# Altium PCB mb1260.PcbDoc (part 7 of 7)
Units mil, origin at the board's own origin, x right, y up, seen from the top; angles counter-clockwise.
Board outline 3189.01 x 3818.89 mil, 6 copper layers (TOP, L2_GND, L3_VCC, L4_SIG, L5_GND, BOTTOM), stack 62.2 mil thick; 308 components, 287 nets, 1220 pads, 851 vias.
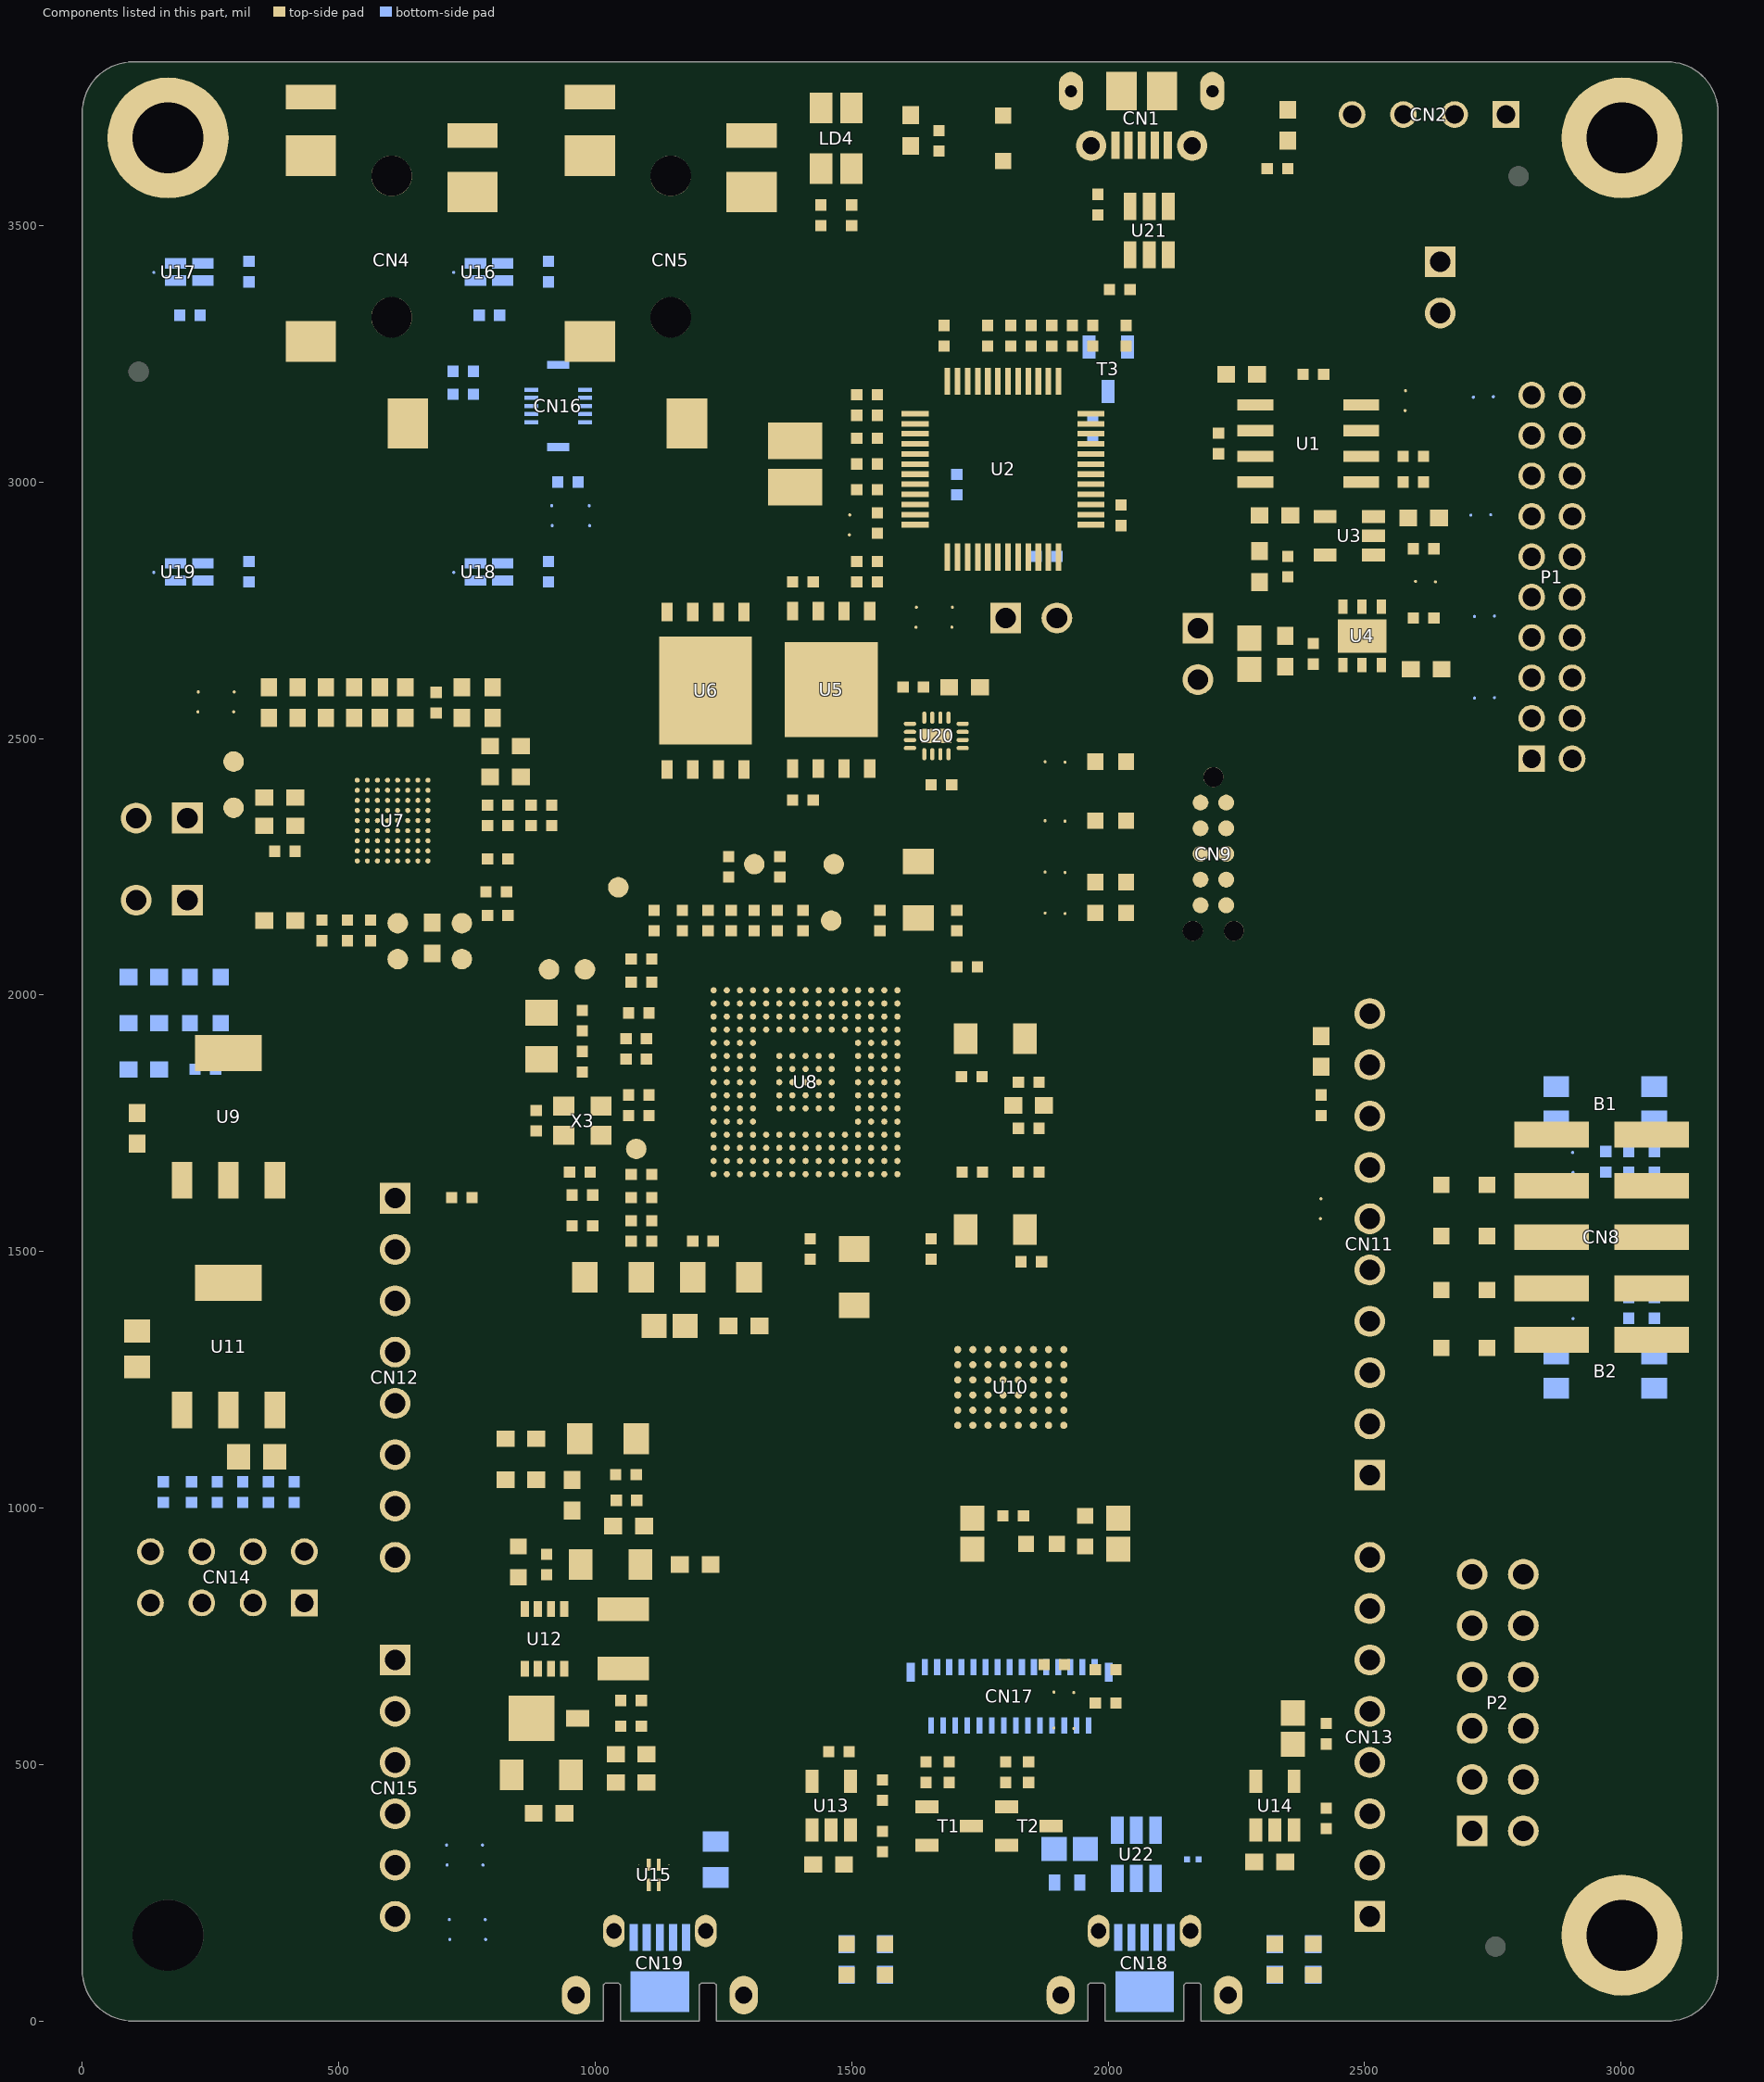
[diagram p11: the components of this part, seen from the top]

## Silkscreen, mask and mechanical layers (free items; w line width, h text height) (continued)
LAY13:
  text "13" at 2393.2,-1906.3 h75
  text "13" at 2393.2,-1906.3 h75
  text "LAYER 13(GND PLANE)" at 1943.2,-2056.3 h60
  text "LAYER 13(GND PLANE)" at 1943.2,-2056.3 h60
LAY11:
  text "11" at 2393.2,-1906.3 h75
  text "11" at 2393.2,-1906.3 h75
  text "LAYER 11(GND PLANE)" at 1943.2,-2056.3 h60
  text "LAYER 11(GND PLANE)" at 1943.2,-2056.3 h60
LAY6:
  text "6" at 2443.2,-1906.3 h75
  text "6" at 2443.2,-1906.3 h75
  text "LAYER 6 (GND PLANE)" at 1943.2,-2056.3 h60
  text "LAYER 6 (GND PLANE)" at 1943.2,-2056.3 h60
LAY12:
  text "12" at 2393.2,-1906.3 h75
  text "12" at 2393.2,-1906.3 h75
  text "LAYER 12(INTERNAL SIGNAL)" at 1943.2,-2056.3 h60
  text "LAYER 12(INTERNAL SIGNAL)" at 1943.2,-2056.3 h60
LAY8:
  text "8" at 2443.2,-1906.3 h75
  text "8" at 2443.2,-1906.3 h75
  text "LAYER 8 (GND PLANE)" at 1943.2,-2056.3 h60
  text "LAYER 8 (GND PLANE)" at 1943.2,-2056.3 h60
LAY17:
  text "17" at 2393.2,-1906.3 h75
  text "17" at 2393.2,-1906.3 h75
  text "LAYER 17(GND PLANE)" at 1943.2,-2056.3 h60
  text "LAYER 17(GND PLANE)" at 1943.2,-2056.3 h60
LAY15:
  text "15" at 2393.2,-1906.3 h75
  text "15" at 2393.2,-1906.3 h75
  text "LAYER 15(GND PLANE)" at 1943.2,-2056.3 h60
  text "LAYER 15(GND PLANE)" at 1943.2,-2056.3 h60
LAY9:
  text "9" at 2443.2,-1906.3 h75
  text "9" at 2443.2,-1906.3 h75
  text "LAYER 9 (INTERNAL SIGNAL)" at 1943.2,-2056.3 h60
  text "LAYER 9 (INTERNAL SIGNAL)" at 1943.2,-2056.3 h60
LAY14:
  text "14" at 2393.2,-1906.3 h75
  text "14" at 2393.2,-1906.3 h75
  text "LAYER 14(INTERNAL SIGNAL)" at 1943.2,-2056.3 h60
  text "LAYER 14(INTERNAL SIGNAL)" at 1943.2,-2056.3 h60
LAY16:
  text "16" at 2393.2,-1906.3 h75
  text "16" at 2393.2,-1906.3 h75
  text "LAYER 16(INTERNAL SIGNAL)" at 1943.2,-2056.3 h60
  text "LAYER 16(INTERNAL SIGNAL)" at 1943.2,-2056.3 h60
LAYER_COUNT:
  text "/XX" at 2393.2,-1906.3 h75
  text "/XX" at 2393.2,-1906.3 h75
ASSEMBLY_BOTTOM:
  lines w1: 896.6,3039.98 964.04,3039.98
  lines w5: -2316.97,2883.59 cw(c-2238.24,2883.59) -2238.23,2962.33 -1800.84,2962.33 ; -2316.97,2892.57 -2316.97,1361.55 ccw(c-2238.24,1361.55) -2238.23,1282.81 -1023.28,1282.81 ccw(c-1023.27,1361.55) -944.54,1361.55 -944.54,2883.59 ccw(c-1023.27,2883.59) -1023.28,2962.33 -1564.62,2962.33 ; 667.07,2539.58 cw(c745.81,2539.58) 745.81,2618.32 1960.77,2618.32 cw(c1960.77,2539.58) 2039.51,2539.58 2039.51,1017.54 cw(c1960.77,1017.54) 1960.77,938.8 745.81,938.8 cw(c745.81,1017.54) 667.07,1017.54 667.07,2548.56 ; 1183.21,2618.32 1183.21,2833.28 ; 1419.43,2618.32 1419.43,2833.28 ; 1628.72,938.56 1628.72,587.22 1983.05,587.22 1983.05,938.56 ; -1800.84,2962.33 -1564.62,2962.33 ; -1800.84,2962.33 -1800.84,3177.29 ; -1800.84,3177.29 -1564.62,3177.29 ; -1800.84,3177.29 -1899.26,3177.29 cw(c-1899.26,3196.98) -1918.95,3196.98 -1918.95,3364.3 ccw(c-1938.63,3364.31) -1938.63,3383.99 -2095.32,3383.99 cw(c-2095.32,3403.67) -2115.01,3403.67 -2115.01,3580.84 cw(c-2095.32,3580.84) -2095.32,3600.52 -1957.52,3600.52 cw(c-1957.53,3580.84) -1937.84,3580.84 -1937.84,3531.63 ccw(c-1918.16,3531.63) -1918.15,3511.94 -1466.19,3511.94 cw(c-1466.19,3492.26) -1446.51,3492.26 -1446.51,3196.98 cw(c-1466.19,3196.98) -1466.19,3177.29 -1564.62,3177.29 ; -1564.62,2962.33 -1564.62,3177.29 ; 1183.21,2833.28 1419.43,2833.28 ; 1183.21,2833.28 1084.79,2833.28 cw(c1084.79,2852.97) 1065.1,2852.97 1065.1,3020.29 ccw(c1045.41,3020.3) 1045.42,3039.98 888.72,3039.98 cw(c888.72,3059.66) 869.04,3059.66 869.04,3236.83 cw(c888.72,3236.83) 888.72,3256.51 1026.52,3256.51 cw(c1026.52,3236.83) 1046.2,3236.83 1046.2,3187.62 ccw(c1065.89,3187.61) 1065.89,3167.93 1517.86,3167.93 cw(c1517.85,3148.25) 1537.54,3148.25 1537.54,2852.97 cw(c1517.85,2852.97) 1517.86,2833.28 1419.43,2833.28 ; -2188.23,1584.77 -1073.28,1584.77 -1073.28,2699.74 -2188.23,2699.74 -2188.23,1584.77 ; -2173.99,3456.82 -2161,3456.82 -2161,3409.18 -2069.65,3409.18 -2069.65,3456.82 -2056.67,3456.82 -2056.67,3527.69 -2069.65,3527.69 -2069.65,3575.33 -2161,3575.33 -2161,3527.69 -2173.99,3527.69 -2173.99,3456.82 ; 751.32,1177.77 751.32,2418.72 2078.88,2418.72 2078.88,1177.77 751.32,1177.77 ; 795.81,1240.76 1910.77,1240.76 1910.77,2355.73 795.81,2355.73 795.81,1240.76 ; 810.06,3112.81 823.05,3112.81 823.05,3065.17 914.39,3065.17 914.39,3112.81 927.38,3112.81 927.38,3183.68 914.39,3183.68 914.39,3231.32 823.05,3231.32 823.05,3183.68 810.06,3183.68 810.06,3112.81
  text "Value" at -805.76,2172.57 h30 r90
  text "U888" at -1662.41,2122.57 h25 r90
  text "Value" at 2133.29,1773.56 h30 r90
  text "U*" at 1361.29,1768.56 h40 r90
  text "ASSEMBLY (SECONDARY)" at 3172.8,-2048.37 h60
  text "ASSEMBLY (SECONDARY)" at 3172.8,-2048.37 h60
ASSEMBLY_TOP:
  lines w5: 1236.36,2558.56 1236.36,2379.74 ; 1472.58,2558.56 1472.58,2379.74 ; 1236.36,2379.74 1472.58,2379.74 ; 1236.36,2379.74 1137.94,2379.74 ccw(c1137.94,2360.06) 1118.25,2360.06 1118.25,2192.73 cw(c1098.57,2192.74) 1098.57,2173.05 960.77,2173.05 ccw(c960.77,2153.37) 941.09,2153.36 941.09,1976.2 ccw(c960.77,1976.19) 960.77,1956.51 1098.57,1956.51 ccw(c1098.57,1976.2) 1118.25,1976.2 1118.25,2025.41 cw(c1137.94,2025.41) 1137.94,2045.1 1571.01,2045.1 ccw(c1571.01,2064.78) 1590.69,2064.78 1590.69,2360.06 ccw(c1571.01,2360.06) 1571.01,2379.74 1472.58,2379.74 ; -2119.74,2592.26 -2106.74,2592.26 -2106.74,2544.62 -2015.41,2544.62 -2015.41,2592.26 -2002.41,2592.26 -2002.41,2663.12 -2015.41,2663.12 -2015.41,2710.76 -2106.74,2710.76 -2106.74,2663.12 -2119.74,2663.12 -2119.74,2592.26 ; -2063.04,2539.11 ccw(c-2043.35,2539.1) -2043.36,2519.42 -1905.56,2519.42 ccw(c-1905.56,2539.11) -1885.88,2539.11 -1885.88,2588.32 cw(c-1866.19,2588.32) -1866.19,2608 -1414.21,2608 ccw(c-1414.22,2627.69) -1394.54,2627.69 -1394.54,2922.96 ccw(c-1414.22,2922.96) -1414.21,2942.65 -1847.3,2942.65 ccw(c-1847.29,2922.97) -1866.97,2922.96 -1866.97,2755.64 cw(c-1886.66,2755.64) -1886.67,2735.96 -2043.36,2735.96 ccw(c-2043.35,2716.27) -2063.04,2716.27 -2063.04,2539.11 ; 863.21,2029.35 876.2,2029.35 876.2,1981.71 967.54,1981.71 967.54,2029.35 980.53,2029.35 980.53,2100.21 967.54,2100.21 967.54,2147.85 876.2,2147.85 876.2,2100.21 863.21,2100.21 863.21,2029.35
  text "ASSEMBLY (PRIMARY)" at 1943.2,-2056.3 h60
  text "ASSEMBLY (PRIMARY)" at 1943.2,-2056.3 h60
LIB_UNEVALUATED:
  drawing of 273 lines, arcs and shapes, not listed
  text "4.5" at -2027.76,3675.57 h16 r90
  text "5.5" at -2147.76,3505.57 h16 r90
  text "16.21" at -2367.76,3282.57 h16 r90
  text "10.71" at -2147.76,3247.57 h16 r90
  text "16" at -1672.76,3199.57 h16 r90
  text "2" at -1277.76,3028.57 h16 r90
  text "12" at -1597.76,3024.57 h16 r90
  text "6" at -1232.76,3003.57 h16 r90
  text "10.71" at 916.29,2873.56 h16 r90
  text "8.5" at -1347.76,2785.57 h16 r90
  text "5.5" at -2352.76,2625.57 h16 r90
  text "1" at 2146.29,2544.56 h16 r90
  text "11.31" at 1011.29,2533.56 h16 r90
  text "33.72" at 1276.29,2498.56 h16 r90
  text "4.5" at -1972.76,2470.57 h16 r90
  text "28.32" at 1286.29,2308.56 h16 r90
  text "28.32" at -2397.76,2202.57 h16 r90
  text "LCD_CTP-LS015GF614A" at -973.76,2157.57 h30 r90
  text "42.66" at -2612.76,2097.57 h16 r90
  text "Sofer Lib Information" at 254.2,1980.35 h25 r90
  text "Sofer Lib Information" at 3583.16,1974.36 h25 r90
  text "Ref PN: FRD154BP2902-CTP" at 304.2,1950.35 h25 r90
  text "Creat : Ziv" at 344.2,1950.35 h25 r90
  text "Date  : 2016-05-28" at 384.2,1950.35 h25 r90
  text "Rev   : A1" at 424.2,1950.35 h25 r90
  text "Remark: D031-023A1" at 464.2,1950.35 h25 r90
  text "Ref PN: CTP LS015GF614A" at 3633.16,1944.36 h25 r90
  text "Creat : Yuki" at 3673.16,1944.36 h25 r90
  text "Date  : 2015-11-06" at 3713.16,1944.36 h25 r90
  text "Rev   : A1" at 3753.16,1944.36 h25 r90
  text "Remark: D031-015A2" at 3793.16,1944.36 h25 r90
  text "42.66" at 576.29,1783.56 h16 r90
  text "31.52" at 606.29,1783.56 h16 r90
  text "28.32" at 641.29,1783.56 h16 r90
  text "NO" at 1325.29,1778.56 h35 r90
  text "LCD_FRD154BP2902-CTP" at 1953.29,1758.56 h30 r90
  text "7.67" at -2397.76,1431.57 h16 r90
  text "28.32" at -1677.76,1237.57 h16 r90
  text "34.86" at -1677.76,1167.57 h16 r90
  text "15" at 1577.31,875.56 h16 r90
  text "9" at 1812.31,569.56 h16 r90
  text "MUTI-PACK DRAWING" at 1943.2,-2056.3 h60
  text "MUTI-PACK DRAWING" at 1943.2,-2056.3 h60

## Text inside footprints (layer, text, board x,y; h text height)
B1: LIB_UNEVALUATED "5.5" at 2961,1910 h16 r270; LIB_UNEVALUATED "4.7" at 2961,1870 h16 r270; LIB_UNEVALUATED "3.5" at 2766,1770 h16 r270; LIB_UNEVALUATED "1.7" at 2791,1770 h16 r270; LIB_UNEVALUATED "OK" at 2941,1788 h35 r270; LIB_UNEVALUATED "TACT_4SM_3R5X5R5" at 2507,1798 h30 r270; LIB_UNEVALUATED "Remark: D051-019A1" at 3135.77,1638.71 h25 r270; LIB_UNEVALUATED "Rev   : A1" at 3179.08,1638.71 h25 r270; LIB_UNEVALUATED "Date  : 2015-01-12" at 3218.45,1638.71 h25 r270; LIB_UNEVALUATED "Creat : Yuki" at 3257.82,1638.71 h25 r270; LIB_UNEVALUATED "Ref PN: STS-155" at 3297.19,1638.71 h25 r270; LIB_UNEVALUATED "Sofer Lib Information" at 3348.37,1611.15 h25 r270; LIB_UNEVALUATED "3" at 3047.4,1821.46 h16 r270; LIB_UNEVALUATED "1" at 2856.46,1821.46 h16 r270; LIB_UNEVALUATED "4" at 3047.4,1754.54 h16 r270; LIB_UNEVALUATED "2" at 2856.46,1754.54 h16 r270
B2: LIB_UNEVALUATED "5.5" at 2961,1389 h16 r270; LIB_UNEVALUATED "4.7" at 2961,1349 h16 r270; LIB_UNEVALUATED "3.5" at 2766,1249 h16 r270; LIB_UNEVALUATED "1.7" at 2791,1249 h16 r270; LIB_UNEVALUATED "OK" at 2941,1267 h35 r270; LIB_UNEVALUATED "TACT_4SM_3R5X5R5" at 2507,1277 h30 r270; LIB_UNEVALUATED "Remark: D051-019A1" at 3135.77,1117.71 h25 r270; LIB_UNEVALUATED "Rev   : A1" at 3179.08,1117.71 h25 r270; LIB_UNEVALUATED "Date  : 2015-01-12" at 3218.45,1117.71 h25 r270; LIB_UNEVALUATED "Creat : Yuki" at 3257.82,1117.71 h25 r270; LIB_UNEVALUATED "Ref PN: STS-155" at 3297.19,1117.71 h25 r270; LIB_UNEVALUATED "Sofer Lib Information" at 3348.37,1090.15 h25 r270; LIB_UNEVALUATED "3" at 3047.4,1300.46 h16 r270; LIB_UNEVALUATED "1" at 2856.46,1300.46 h16 r270; LIB_UNEVALUATED "4" at 3047.4,1233.54 h16 r270; LIB_UNEVALUATED "2" at 2856.46,1233.54 h16 r270; ASSEMBLY_BOTTOM "SW-PUSH-CMS_EVQP2_BLUE" at 2430,1282 h30 r270
C1: LIB_UNEVALUATED "1" at 1680,3258.6 h16 r90; LIB_UNEVALUATED "2" at 1680,3298.6 h16 r90; LIB_UNEVALUATED "NO" at 1695,3252 h35 r90
C2: LIB_UNEVALUATED "1" at 769.24,3215.76 h16; LIB_UNEVALUATED "2" at 729.24,3215.76 h16; LIB_UNEVALUATED "NO" at 775.84,3200.76 h35
C3: LIB_UNEVALUATED "Remark: ***" at 2164,3277 h25; LIB_UNEVALUATED "Rev   : B1" at 2164,3317 h25; LIB_UNEVALUATED "Date  : 2007-05-10" at 2164,3357 h25; LIB_UNEVALUATED "Creat : Sofer Tech" at 2164,3397 h25; LIB_UNEVALUATED "Ref PN: ***" at 2164,3437 h25; LIB_UNEVALUATED "Sofer Lib Information" at 2134,3487 h25; LIB_UNEVALUATED "Approved" at 2148,3210 h35; LIB_UNEVALUATED "C0603" at 2200,3145 h30; LIB_UNEVALUATED "2" at 2283.6,3210 h16; LIB_UNEVALUATED "1" at 2223.6,3210 h16; ASSEMBLY_TOP "2.2uF_X5R_10%_0603" at 2116,3200 h20
C4: LIB_UNEVALUATED "1" at 1503.6,3085 h16; LIB_UNEVALUATED "2" at 1543.6,3085 h16; LIB_UNEVALUATED "NO" at 1497,3070 h35; ASSEMBLY_TOP "100nF" at 1490,3075 h20
C5: LIB_UNEVALUATED "1" at 2621.4,3050 h16 r180; LIB_UNEVALUATED "2" at 2581.4,3050 h16 r180; LIB_UNEVALUATED "NO" at 2628,3065 h35 r180
C6: LIB_UNEVALUATED "1" at 1503.6,3035 h16; LIB_UNEVALUATED "2" at 1543.6,3035 h16; LIB_UNEVALUATED "NO" at 1497,3020 h35; ASSEMBLY_TOP "100nF" at 1490,3025 h20
C7: LIB_UNEVALUATED "1" at 1503.6,2985 h16; LIB_UNEVALUATED "2" at 1543.6,2985 h16; LIB_UNEVALUATED "NO" at 1497,2970 h35
C8: LIB_UNEVALUATED "1" at 2288.6,2935 h16; LIB_UNEVALUATED "2" at 2348.6,2935 h16; LIB_UNEVALUATED "C0603" at 2265,2870 h30; LIB_UNEVALUATED "Approved" at 2213,2935 h35; LIB_UNEVALUATED "Sofer Lib Information" at 2199,3212 h25; LIB_UNEVALUATED "Ref PN: ***" at 2229,3162 h25; LIB_UNEVALUATED "Creat : Sofer Tech" at 2229,3122 h25; LIB_UNEVALUATED "Date  : 2007-05-10" at 2229,3082 h25; LIB_UNEVALUATED "Rev   : B1" at 2229,3042 h25; LIB_UNEVALUATED "Remark: ***" at 2229,3002 h25; ASSEMBLY_TOP "2.2uF_X5R_10%_0603" at 2181,2925 h20
C9: LIB_UNEVALUATED "Remark: ***" at 2711,2863 h25 r180; LIB_UNEVALUATED "Rev   : B1" at 2711,2823 h25 r180; LIB_UNEVALUATED "Date  : 2007-05-10" at 2711,2783 h25 r180; LIB_UNEVALUATED "Creat : Sofer Tech" at 2711,2743 h25 r180; LIB_UNEVALUATED "Ref PN: ***" at 2711,2703 h25 r180; LIB_UNEVALUATED "Sofer Lib Information" at 2741,2653 h25 r180; LIB_UNEVALUATED "Approved" at 2727,2930 h35 r180; LIB_UNEVALUATED "C0603" at 2675,2995 h30 r180; LIB_UNEVALUATED "2" at 2591.4,2930 h16 r180; LIB_UNEVALUATED "1" at 2651.4,2930 h16 r180; ASSEMBLY_TOP "2.2uF_X5R_10%_0603" at 2759,2940 h20 r180
C10: LIB_UNEVALUATED "1" at 2641.4,2870 h16 r180; LIB_UNEVALUATED "2" at 2601.4,2870 h16 r180; LIB_UNEVALUATED "NO" at 2648,2885 h35 r180
C11: LIB_UNEVALUATED "1" at 2295,2798.6 h16 r90; LIB_UNEVALUATED "2" at 2295,2858.6 h16 r90; LIB_UNEVALUATED "C0603" at 2360,2775 h30 r90; LIB_UNEVALUATED "Approved" at 2295,2723 h35 r90; LIB_UNEVALUATED "Sofer Lib Information" at 2018,2709 h25 r90; LIB_UNEVALUATED "Ref PN: ***" at 2068,2739 h25 r90; LIB_UNEVALUATED "Creat : Sofer Tech" at 2108,2739 h25 r90; LIB_UNEVALUATED "Date  : 2007-05-10" at 2148,2739 h25 r90; LIB_UNEVALUATED "Rev   : B1" at 2188,2739 h25 r90; LIB_UNEVALUATED "Remark: ***" at 2228,2739 h25 r90; ASSEMBLY_TOP "2.2uF_X5R_10%_0603" at 2305,2691 h20 r90
C12: LIB_UNEVALUATED "1" at 2350,2808.6 h16 r90; LIB_UNEVALUATED "2" at 2350,2848.6 h16 r90; LIB_UNEVALUATED "NO" at 2365,2802 h35 r90
C13: LIB_UNEVALUATED "1" at 1431.4,2805 h16 r180; LIB_UNEVALUATED "2" at 1391.4,2805 h16 r180; LIB_UNEVALUATED "NO" at 1438,2820 h35 r180
C14: LIB_UNEVALUATED "1" at 2641.4,2735 h16 r180; LIB_UNEVALUATED "2" at 2601.4,2735 h16 r180; LIB_UNEVALUATED "NO" at 2648,2750 h35 r180
C15: LIB_UNEVALUATED "1" at 2345,2706.4 h16 r270; LIB_UNEVALUATED "2" at 2345,2646.4 h16 r270; LIB_UNEVALUATED "C0603" at 2280,2730 h30 r270; LIB_UNEVALUATED "Approved" at 2345,2782 h35 r270; LIB_UNEVALUATED "Sofer Lib Information" at 2622,2796 h25 r270; LIB_UNEVALUATED "Ref PN: ***" at 2572,2766 h25 r270; LIB_UNEVALUATED "Creat : Sofer Tech" at 2532,2766 h25 r270; LIB_UNEVALUATED "Date  : 2007-05-10" at 2492,2766 h25 r270; LIB_UNEVALUATED "Rev   : B1" at 2452,2766 h25 r270; LIB_UNEVALUATED "Remark: ***" at 2412,2766 h25 r270; ASSEMBLY_TOP "2.2uF_X5R_10%_0603" at 2335,2814 h20 r270
C16: LIB_UNEVALUATED "1" at 2400,2691.4 h16 r270; LIB_UNEVALUATED "2" at 2400,2651.4 h16 r270; LIB_UNEVALUATED "NO" at 2385,2698 h35 r270
C17: LIB_UNEVALUATED "Remark: ***" at 2716,2568 h25 r180; LIB_UNEVALUATED "Rev   : B1" at 2716,2528 h25 r180; LIB_UNEVALUATED "Date  : 2007-05-10" at 2716,2488 h25 r180; LIB_UNEVALUATED "Creat : Sofer Tech" at 2716,2448 h25 r180; LIB_UNEVALUATED "Ref PN: ***" at 2716,2408 h25 r180; LIB_UNEVALUATED "Sofer Lib Information" at 2746,2358 h25 r180; LIB_UNEVALUATED "Approved" at 2732,2635 h35 r180; LIB_UNEVALUATED "C0603" at 2680,2700 h30 r180; LIB_UNEVALUATED "2" at 2596.4,2635 h16 r180; LIB_UNEVALUATED "1" at 2656.4,2635 h16 r180; ASSEMBLY_TOP "2.2uF_X5R_10%_0603" at 2764,2645 h20 r180
C18: LIB_UNEVALUATED "1" at 420,2533.6 h16 r90; LIB_UNEVALUATED "2" at 420,2593.6 h16 r90; LIB_UNEVALUATED "C0603" at 485,2510 h30 r90; LIB_UNEVALUATED "Approved" at 420,2458 h35 r90; LIB_UNEVALUATED "Sofer Lib Information" at 143,2444 h25 r90; LIB_UNEVALUATED "Ref PN: ***" at 193,2474 h25 r90; LIB_UNEVALUATED "Creat : Sofer Tech" at 233,2474 h25 r90; LIB_UNEVALUATED "Date  : 2007-05-10" at 273,2474 h25 r90; LIB_UNEVALUATED "Rev   : B1" at 313,2474 h25 r90; LIB_UNEVALUATED "Remark: ***" at 353,2474 h25 r90; ASSEMBLY_TOP "2.2uF_X5R_10%_0603" at 430,2426 h20 r90
C19: LIB_UNEVALUATED "Remark: ***" at 542,2666 h25 r270; LIB_UNEVALUATED "Rev   : B1" at 582,2666 h25 r270; LIB_UNEVALUATED "Date  : 2007-05-10" at 622,2666 h25 r270; LIB_UNEVALUATED "Creat : Sofer Tech" at 662,2666 h25 r270; LIB_UNEVALUATED "Ref PN: ***" at 702,2666 h25 r270; LIB_UNEVALUATED "Sofer Lib Information" at 752,2696 h25 r270; LIB_UNEVALUATED "Approved" at 475,2682 h35 r270; LIB_UNEVALUATED "C0603" at 410,2630 h30 r270; LIB_UNEVALUATED "2" at 475,2546.4 h16 r270; LIB_UNEVALUATED "1" at 475,2606.4 h16 r270; ASSEMBLY_TOP "2.2uF_X5R_10%_0603" at 465,2714 h20 r270
C20: LIB_UNEVALUATED "1" at 530,2533.6 h16 r90; LIB_UNEVALUATED "2" at 530,2593.6 h16 r90; LIB_UNEVALUATED "C0603" at 595,2510 h30 r90; LIB_UNEVALUATED "Approved" at 530,2458 h35 r90; LIB_UNEVALUATED "Sofer Lib Information" at 253,2444 h25 r90; LIB_UNEVALUATED "Ref PN: ***" at 303,2474 h25 r90; LIB_UNEVALUATED "Creat : Sofer Tech" at 343,2474 h25 r90; LIB_UNEVALUATED "Date  : 2007-05-10" at 383,2474 h25 r90; LIB_UNEVALUATED "Rev   : B1" at 423,2474 h25 r90; LIB_UNEVALUATED "Remark: ***" at 463,2474 h25 r90; ASSEMBLY_TOP "2.2uF_X5R_10%_0603" at 540,2426 h20 r90
C21: LIB_UNEVALUATED "Remark: ***" at 513,2474 h25 r90; LIB_UNEVALUATED "Rev   : B1" at 473,2474 h25 r90; LIB_UNEVALUATED "Date  : 2007-05-10" at 433,2474 h25 r90; LIB_UNEVALUATED "Creat : Sofer Tech" at 393,2474 h25 r90; LIB_UNEVALUATED "Ref PN: ***" at 353,2474 h25 r90; LIB_UNEVALUATED "Sofer Lib Information" at 303,2444 h25 r90; LIB_UNEVALUATED "Approved" at 580,2458 h35 r90; LIB_UNEVALUATED "C0603" at 645,2510 h30 r90; LIB_UNEVALUATED "2" at 580,2593.6 h16 r90; LIB_UNEVALUATED "1" at 580,2533.6 h16 r90; ASSEMBLY_TOP "2.2uF_X5R_10%_0603" at 590,2426 h20 r90
C22: LIB_UNEVALUATED "1" at 630,2533.6 h16 r90; LIB_UNEVALUATED "2" at 630,2593.6 h16 r90; LIB_UNEVALUATED "C0603" at 695,2510 h30 r90; LIB_UNEVALUATED "Approved" at 630,2458 h35 r90; LIB_UNEVALUATED "Sofer Lib Information" at 353,2444 h25 r90; LIB_UNEVALUATED "Ref PN: ***" at 403,2474 h25 r90; LIB_UNEVALUATED "Creat : Sofer Tech" at 443,2474 h25 r90; LIB_UNEVALUATED "Date  : 2007-05-10" at 483,2474 h25 r90; LIB_UNEVALUATED "Rev   : B1" at 523,2474 h25 r90; LIB_UNEVALUATED "Remark: ***" at 563,2474 h25 r90; ASSEMBLY_TOP "2.2uF_X5R_10%_0603" at 640,2426 h20 r90
C23: LIB_UNEVALUATED "1" at 690,2543.6 h16 r90; LIB_UNEVALUATED "2" at 690,2583.6 h16 r90; LIB_UNEVALUATED "NO" at 705,2537 h35 r90
C24: LIB_UNEVALUATED "1" at 740,2533.6 h16 r90; LIB_UNEVALUATED "2" at 740,2593.6 h16 r90; LIB_UNEVALUATED "C0603" at 805,2510 h30 r90; LIB_UNEVALUATED "Approved" at 740,2458 h35 r90; LIB_UNEVALUATED "Sofer Lib Information" at 463,2444 h25 r90; LIB_UNEVALUATED "Ref PN: ***" at 513,2474 h25 r90; LIB_UNEVALUATED "Creat : Sofer Tech" at 553,2474 h25 r90; LIB_UNEVALUATED "Date  : 2007-05-10" at 593,2474 h25 r90; LIB_UNEVALUATED "Rev   : B1" at 633,2474 h25 r90; LIB_UNEVALUATED "Remark: ***" at 673,2474 h25 r90; ASSEMBLY_TOP "2.2uF_X5R_10%_0603" at 750,2426 h20 r90
C25: LIB_UNEVALUATED "Remark: ***" at 733,2474 h25 r90; LIB_UNEVALUATED "Rev   : B1" at 693,2474 h25 r90; LIB_UNEVALUATED "Date  : 2007-05-10" at 653,2474 h25 r90; LIB_UNEVALUATED "Creat : Sofer Tech" at 613,2474 h25 r90; LIB_UNEVALUATED "Ref PN: ***" at 573,2474 h25 r90; LIB_UNEVALUATED "Sofer Lib Information" at 523,2444 h25 r90; LIB_UNEVALUATED "Approved" at 800,2458 h35 r90; LIB_UNEVALUATED "C0603" at 865,2510 h30 r90; LIB_UNEVALUATED "2" at 800,2593.6 h16 r90; LIB_UNEVALUATED "1" at 800,2533.6 h16 r90
C26: LIB_UNEVALUATED "Remark: ***" at 729,2552 h25; LIB_UNEVALUATED "Rev   : B1" at 729,2592 h25; LIB_UNEVALUATED "Date  : 2007-05-10" at 729,2632 h25; LIB_UNEVALUATED "Creat : Sofer Tech" at 729,2672 h25; LIB_UNEVALUATED "Ref PN: ***" at 729,2712 h25; LIB_UNEVALUATED "Sofer Lib Information" at 699,2762 h25; LIB_UNEVALUATED "Approved" at 713,2485 h35; LIB_UNEVALUATED "C0603" at 765,2420 h30; LIB_UNEVALUATED "2" at 848.6,2485 h16; LIB_UNEVALUATED "1" at 788.6,2485 h16
C27: LIB_UNEVALUATED "Remark: ***" at 297,2474 h25 r90; LIB_UNEVALUATED "Rev   : B1" at 257,2474 h25 r90; LIB_UNEVALUATED "Date  : 2007-05-10" at 217,2474 h25 r90; LIB_UNEVALUATED "Creat : Sofer Tech" at 177,2474 h25 r90; LIB_UNEVALUATED "Ref PN: ***" at 137,2474 h25 r90; LIB_UNEVALUATED "Sofer Lib Information" at 87,2444 h25 r90; LIB_UNEVALUATED "Approved" at 364,2458 h35 r90; LIB_UNEVALUATED "C0603" at 429,2510 h30 r90; LIB_UNEVALUATED "2" at 364,2593.6 h16 r90; LIB_UNEVALUATED "1" at 364,2533.6 h16 r90; ASSEMBLY_TOP "2.2uF_X5R_10%_0603" at 374,2426 h20 r90
C28: LIB_UNEVALUATED "1" at 788.6,2425 h16; LIB_UNEVALUATED "2" at 848.6,2425 h16; LIB_UNEVALUATED "C0603" at 765,2360 h30; LIB_UNEVALUATED "Approved" at 713,2425 h35; LIB_UNEVALUATED "Sofer Lib Information" at 699,2702 h25; LIB_UNEVALUATED "Ref PN: ***" at 729,2652 h25; LIB_UNEVALUATED "Creat : Sofer Tech" at 729,2612 h25; LIB_UNEVALUATED "Date  : 2007-05-10" at 729,2572 h25; LIB_UNEVALUATED "Rev   : B1" at 729,2532 h25; LIB_UNEVALUATED "Remark: ***" at 729,2492 h25
C29: LIB_UNEVALUATED "Remark: ***" at 289,2452 h25; LIB_UNEVALUATED "Rev   : B1" at 289,2492 h25; LIB_UNEVALUATED "Date  : 2007-05-10" at 289,2532 h25; LIB_UNEVALUATED "Creat : Sofer Tech" at 289,2572 h25; LIB_UNEVALUATED "Ref PN: ***" at 289,2612 h25; LIB_UNEVALUATED "Sofer Lib Information" at 259,2662 h25; LIB_UNEVALUATED "Approved" at 273,2385 h35; LIB_UNEVALUATED "C0603" at 325,2320 h30; LIB_UNEVALUATED "2" at 408.6,2385 h16; LIB_UNEVALUATED "1" at 348.6,2385 h16; ASSEMBLY_TOP "2.2uF_X5R_10%_0603" at 241,2375 h20
C30: LIB_UNEVALUATED "1" at 783.6,2370 h16; LIB_UNEVALUATED "2" at 823.6,2370 h16; LIB_UNEVALUATED "NO" at 777,2355 h35
C31: LIB_UNEVALUATED "1" at 348.6,2330 h16; LIB_UNEVALUATED "2" at 408.6,2330 h16; LIB_UNEVALUATED "C0603" at 325,2265 h30; LIB_UNEVALUATED "Approved" at 273,2330 h35; LIB_UNEVALUATED "Sofer Lib Information" at 259,2607 h25; LIB_UNEVALUATED "Ref PN: ***" at 289,2557 h25; LIB_UNEVALUATED "Creat : Sofer Tech" at 289,2517 h25; LIB_UNEVALUATED "Date  : 2007-05-10" at 289,2477 h25; LIB_UNEVALUATED "Rev   : B1" at 289,2437 h25; LIB_UNEVALUATED "Remark: ***" at 289,2397 h25; ASSEMBLY_TOP "2.2uF_X5R_10%_0603" at 241,2320 h20
C32: LIB_UNEVALUATED "1" at 783.6,2330 h16; LIB_UNEVALUATED "2" at 823.6,2330 h16; LIB_UNEVALUATED "NO" at 777,2315 h35
C33: LIB_UNEVALUATED "1" at 421.4,2280 h16 r180; LIB_UNEVALUATED "2" at 381.4,2280 h16 r180; LIB_UNEVALUATED "NO" at 428,2295 h35 r180
C34: LIB_UNEVALUATED "1" at 1630,2156.4 h16 r270; LIB_UNEVALUATED "2" at 1630,2266.4 h16 r270
C35: LIB_UNEVALUATED "1" at 348.6,2145 h16; LIB_UNEVALUATED "2" at 408.6,2145 h16; LIB_UNEVALUATED "C0603" at 325,2080 h30; LIB_UNEVALUATED "Approved" at 273,2145 h35; LIB_UNEVALUATED "Sofer Lib Information" at 259,2422 h25; LIB_UNEVALUATED "Ref PN: ***" at 289,2372 h25; LIB_UNEVALUATED "Creat : Sofer Tech" at 289,2332 h25; LIB_UNEVALUATED "Date  : 2007-05-10" at 289,2292 h25; LIB_UNEVALUATED "Rev   : B1" at 289,2252 h25; LIB_UNEVALUATED "Remark: ***" at 289,2212 h25; ASSEMBLY_TOP "2.2uF_X5R_10%_0603" at 241,2135 h20
C36: LIB_UNEVALUATED "1" at 1115,2171.4 h16 r270; LIB_UNEVALUATED "2" at 1115,2131.4 h16 r270; LIB_UNEVALUATED "NO" at 1100,2178 h35 r270
C37: LIB_UNEVALUATED "1" at 1170,2171.4 h16 r270; LIB_UNEVALUATED "2" at 1170,2131.4 h16 r270; LIB_UNEVALUATED "NO" at 1155,2178 h35 r270
C38: LIB_UNEVALUATED "1" at 1405,2171.4 h16 r270; LIB_UNEVALUATED "2" at 1405,2131.4 h16 r270; LIB_UNEVALUATED "NO" at 1390,2178 h35 r270
C39: LIB_UNEVALUATED "1" at 1555,2171.4 h16 r270; LIB_UNEVALUATED "2" at 1555,2131.4 h16 r270; LIB_UNEVALUATED "NO" at 1540,2178 h35 r270
C40: LIB_UNEVALUATED "1" at 1705,2171.4 h16 r270; LIB_UNEVALUATED "2" at 1705,2131.4 h16 r270; LIB_UNEVALUATED "NO" at 1690,2178 h35 r270
C41: LIB_UNEVALUATED "1" at 467,2152.4 h16 r270; LIB_UNEVALUATED "2" at 467,2112.4 h16 r270; LIB_UNEVALUATED "NO" at 452,2159 h35 r270
C42: LIB_UNEVALUATED "1" at 517,2152.4 h16 r270; LIB_UNEVALUATED "2" at 517,2112.4 h16 r270; LIB_UNEVALUATED "NO" at 502,2159 h35 r270
C43: LIB_UNEVALUATED "Remark: ***" at 615,2015 h25 r90; LIB_UNEVALUATED "Rev   : B1" at 575,2015 h25 r90; LIB_UNEVALUATED "Date  : 2007-05-10" at 535,2015 h25 r90; LIB_UNEVALUATED "Creat : Sofer Tech" at 495,2015 h25 r90; LIB_UNEVALUATED "Ref PN: ***" at 455,2015 h25 r90; LIB_UNEVALUATED "Sofer Lib Information" at 405,1985 h25 r90; LIB_UNEVALUATED "Approved" at 682,1999 h35 r90; LIB_UNEVALUATED "C0603" at 747,2051 h30 r90; LIB_UNEVALUATED "2" at 682,2134.6 h16 r90; LIB_UNEVALUATED "1" at 682,2074.6 h16 r90; ASSEMBLY_TOP "2.2uF_X5R_10%_0603" at 692,1967 h20 r90
C44: LIB_UNEVALUATED "1" at 1063.6,2070 h16; LIB_UNEVALUATED "2" at 1103.6,2070 h16; LIB_UNEVALUATED "NO" at 1057,2055 h35
C45: LIB_UNEVALUATED "1" at 1751.4,2055 h16 r180; LIB_UNEVALUATED "2" at 1711.4,2055 h16 r180; LIB_UNEVALUATED "NO" at 1758,2070 h35 r180
C46: LIB_UNEVALUATED "1" at 1063.6,2025 h16; LIB_UNEVALUATED "2" at 1103.6,2025 h16; LIB_UNEVALUATED "NO" at 1057,2010 h35
C47: LIB_UNEVALUATED "1" at 1058.6,1965 h16; LIB_UNEVALUATED "2" at 1098.6,1965 h16; LIB_UNEVALUATED "NO" at 1052,1950 h35
C48: LIB_UNEVALUATED "1" at 975,1976.4 h16 r270; LIB_UNEVALUATED "2" at 975,1936.4 h16 r270; LIB_UNEVALUATED "NO" at 960,1983 h35 r270; ASSEMBLY_TOP "100nF" at 965,1990 h20 r270
C49: LIB_UNEVALUATED "2" at 1715.6,1915 h16 r180; LIB_UNEVALUATED "1" at 1831.6,1915 h16 r180; LIB_UNEVALUATED "Approved" at 1668,1915 h35 r180; LIB_UNEVALUATED "Sofer Lib Information" at 1906,1633 h25 r180; LIB_UNEVALUATED "Ref PN: ***" at 1876,1683 h25 r180; LIB_UNEVALUATED "Creat : Sofer Tech" at 1876,1723 h25 r180; LIB_UNEVALUATED "Date  : 2010-12-15" at 1876,1763 h25 r180; LIB_UNEVALUATED "Rev   : C1" at 1876,1803 h25 r180; LIB_UNEVALUATED "Remark: ***" at 1876,1843 h25 r180; LIB_UNEVALUATED "C1206" at 1730,1995 h30 r180
C50: LIB_UNEVALUATED "Remark: ***" at 2482,1986 h25 r270; LIB_UNEVALUATED "Rev   : B1" at 2522,1986 h25 r270; LIB_UNEVALUATED "Date  : 2007-05-10" at 2562,1986 h25 r270; LIB_UNEVALUATED "Creat : Sofer Tech" at 2602,1986 h25 r270; LIB_UNEVALUATED "Ref PN: ***" at 2642,1986 h25 r270; LIB_UNEVALUATED "Sofer Lib Information" at 2692,2016 h25 r270; LIB_UNEVALUATED "Approved" at 2415,2002 h35 r270; LIB_UNEVALUATED "C0603" at 2350,1950 h30 r270; LIB_UNEVALUATED "2" at 2415,1866.4 h16 r270; LIB_UNEVALUATED "1" at 2415,1926.4 h16 r270; ASSEMBLY_TOP "2.2uF_X5R_10%_0603" at 2405,2034 h20 r270
C51: LIB_UNEVALUATED "1" at 975,1843.6 h16 r90; LIB_UNEVALUATED "2" at 975,1883.6 h16 r90; LIB_UNEVALUATED "NO" at 990,1837 h35 r90; ASSEMBLY_TOP "100nF" at 985,1830 h20 r90
C52: LIB_UNEVALUATED "1" at 1760.4,1841 h16 r180; LIB_UNEVALUATED "2" at 1720.4,1841 h16 r180; LIB_UNEVALUATED "NO" at 1767,1856 h35 r180
C53: LIB_UNEVALUATED "1" at 1058.6,1765 h16; LIB_UNEVALUATED "2" at 1098.6,1765 h16; LIB_UNEVALUATED "NO" at 1052,1750 h35
C54: LIB_UNEVALUATED "Remark: ***" at 1749,1852 h25; LIB_UNEVALUATED "Rev   : B1" at 1749,1892 h25; LIB_UNEVALUATED "Date  : 2007-05-10" at 1749,1932 h25; LIB_UNEVALUATED "Creat : Sofer Tech" at 1749,1972 h25; LIB_UNEVALUATED "Ref PN: ***" at 1749,2012 h25; LIB_UNEVALUATED "Sofer Lib Information" at 1719,2062 h25; LIB_UNEVALUATED "Approved" at 1733,1785 h35; LIB_UNEVALUATED "C0603" at 1785,1720 h30; LIB_UNEVALUATED "2" at 1868.6,1785 h16; LIB_UNEVALUATED "1" at 1808.6,1785 h16
C55: LIB_UNEVALUATED "1" at 885,1728.6 h16 r90; LIB_UNEVALUATED "2" at 885,1768.6 h16 r90; LIB_UNEVALUATED "NO" at 900,1722 h35 r90
C56: LIB_UNEVALUATED "1" at 1761.4,1655 h16 r180; LIB_UNEVALUATED "2" at 1721.4,1655 h16 r180; LIB_UNEVALUATED "NO" at 1768,1670 h35 r180
C57: LIB_UNEVALUATED "1" at 106.8,1703.6 h16 r90; LIB_UNEVALUATED "2" at 106.8,1763.6 h16 r90; LIB_UNEVALUATED "C0603" at 171.8,1680 h30 r90; LIB_UNEVALUATED "Approved" at 106.8,1628 h35 r90; LIB_UNEVALUATED "Sofer Lib Information" at -170.2,1614 h25 r90; LIB_UNEVALUATED "Ref PN: ***" at -120.2,1644 h25 r90; LIB_UNEVALUATED "Creat : Sofer Tech" at -80.2,1644 h25 r90; LIB_UNEVALUATED "Date  : 2007-05-10" at -40.2,1644 h25 r90; LIB_UNEVALUATED "Rev   : B1" at -0.2,1644 h25 r90; LIB_UNEVALUATED "Remark: ***" at 39.8,1644 h25 r90; ASSEMBLY_TOP "2.2uF_X5R_10%_0603" at 116.8,1596 h20 r90
C58: LIB_UNEVALUATED "2" at 1715.6,1543 h16 r180; LIB_UNEVALUATED "1" at 1831.6,1543 h16 r180; LIB_UNEVALUATED "Approved" at 1668,1543 h35 r180; LIB_UNEVALUATED "Sofer Lib Information" at 1906,1261 h25 r180; LIB_UNEVALUATED "Ref PN: ***" at 1876,1311 h25 r180; LIB_UNEVALUATED "Creat : Sofer Tech" at 1876,1351 h25 r180; LIB_UNEVALUATED "Date  : 2010-12-15" at 1876,1391 h25 r180; LIB_UNEVALUATED "Rev   : C1" at 1876,1431 h25 r180; LIB_UNEVALUATED "Remark: ***" at 1876,1471 h25 r180; LIB_UNEVALUATED "C1206" at 1730,1623 h30 r180
C59: LIB_UNEVALUATED "1" at 1063.6,1520 h16; LIB_UNEVALUATED "2" at 1103.6,1520 h16; LIB_UNEVALUATED "NO" at 1057,1505 h35
C60: LIB_UNEVALUATED "1" at 1236.4,1520 h16 r180; LIB_UNEVALUATED "2" at 1196.4,1520 h16 r180; LIB_UNEVALUATED "NO" at 1243,1535 h35 r180
C61: LIB_UNEVALUATED "1" at 1419,1478.6 h16 r90; LIB_UNEVALUATED "2" at 1419,1518.6 h16 r90; LIB_UNEVALUATED "NO" at 1434,1472 h35 r90
C62: LIB_UNEVALUATED "1" at 1655,1478.6 h16 r90; LIB_UNEVALUATED "2" at 1655,1518.6 h16 r90; LIB_UNEVALUATED "NO" at 1670,1472 h35 r90
C63: LIB_UNEVALUATED "1" at 1876.4,1480 h16 r180; LIB_UNEVALUATED "2" at 1836.4,1480 h16 r180; LIB_UNEVALUATED "NO" at 1883,1495 h35 r180
C64: LIB_UNEVALUATED "1" at 1083.6,1450 h16; LIB_UNEVALUATED "2" at 973.6,1450 h16
C65: LIB_UNEVALUATED "1" at 1196.4,1450 h16 r180; LIB_UNEVALUATED "2" at 1306.4,1450 h16 r180
C66: LIB_UNEVALUATED "1" at 1505,1498.6 h16 r90; LIB_UNEVALUATED "2" at 1505,1388.6 h16 r90
C67: LIB_UNEVALUATED "1" at 976.4,1135 h16 r180; LIB_UNEVALUATED "2" at 1086.4,1135 h16 r180
C68: LIB_UNEVALUATED "2" at 106.8,1338.6 h16 r90; LIB_UNEVALUATED "1" at 106.8,1268.6 h16 r90; LIB_UNEVALUATED "C0805" at 181.8,1235 h30 r90; LIB_UNEVALUATED "Sofer Lib Information" at -160.2,1169 h25 r90; LIB_UNEVALUATED "Ref PN: ***" at -110.2,1199 h25 r90; LIB_UNEVALUATED "Creat : Sofer Tech" at -70.2,1199 h25 r90; LIB_UNEVALUATED "Date  : 2009-07-15" at -30.2,1199 h25 r90; LIB_UNEVALUATED "Rev   : B1" at 9.8,1199 h25 r90; LIB_UNEVALUATED "Remark: ***" at 49.8,1199 h25 r90; LIB_UNEVALUATED "Approved" at 106.8,1198 h35 r90
C69: LIB_UNEVALUATED "1" at 1086.4,1065 h16 r180; LIB_UNEVALUATED "2" at 1046.4,1065 h16 r180; LIB_UNEVALUATED "NO" at 1093,1080 h35 r180
C70: LIB_UNEVALUATED "1" at 1087.4,1015 h16 r180; LIB_UNEVALUATED "2" at 1047.4,1015 h16 r180; LIB_UNEVALUATED "NO" at 1094,1030 h35 r180
C71: LIB_UNEVALUATED "1" at 1788.6,985 h16; LIB_UNEVALUATED "2" at 1828.6,985 h16; LIB_UNEVALUATED "NO" at 1782,970 h35
C72: LIB_UNEVALUATED "Remark: ***" at 1161,898 h25 r180; LIB_UNEVALUATED "Rev   : B1" at 1161,858 h25 r180; LIB_UNEVALUATED "Date  : 2007-05-10" at 1161,818 h25 r180; LIB_UNEVALUATED "Creat : Sofer Tech" at 1161,778 h25 r180; LIB_UNEVALUATED "Ref PN: ***" at 1161,738 h25 r180; LIB_UNEVALUATED "Sofer Lib Information" at 1191,688 h25 r180; LIB_UNEVALUATED "Approved" at 1177,965 h35 r180; LIB_UNEVALUATED "C0603" at 1125,1030 h30 r180; LIB_UNEVALUATED "2" at 1041.4,965 h16 r180; LIB_UNEVALUATED "1" at 1101.4,965 h16 r180; ASSEMBLY_TOP "2.2uF_X5R_10%_0603" at 1209,975 h20 r180
C73: LIB_UNEVALUATED "2" at 965.6,890 h16 r180; LIB_UNEVALUATED "1" at 1081.6,890 h16 r180; LIB_UNEVALUATED "Approved" at 918,890 h35 r180; LIB_UNEVALUATED "Sofer Lib Information" at 1156,608 h25 r180; LIB_UNEVALUATED "Ref PN: ***" at 1126,658 h25 r180; LIB_UNEVALUATED "Creat : Sofer Tech" at 1126,698 h25 r180; LIB_UNEVALUATED "Date  : 2010-12-15" at 1126,738 h25 r180; LIB_UNEVALUATED "Rev   : C1" at 1126,778 h25 r180; LIB_UNEVALUATED "Remark: ***" at 1126,818 h25 r180; LIB_UNEVALUATED "C1206" at 980,970 h30 r180; ASSEMBLY_TOP "2.2uF" at 980,970 h30 r180
C74: LIB_UNEVALUATED "2" at 368.6,1100 h16; LIB_UNEVALUATED "1" at 298.6,1100 h16; LIB_UNEVALUATED "C0805" at 265,1025 h30; LIB_UNEVALUATED "Sofer Lib Information" at 199,1367 h25; LIB_UNEVALUATED "Ref PN: ***" at 229,1317 h25; LIB_UNEVALUATED "Creat : Sofer Tech" at 229,1277 h25; LIB_UNEVALUATED "Date  : 2009-07-15" at 229,1237 h25; LIB_UNEVALUATED "Rev   : B1" at 229,1197 h25; LIB_UNEVALUATED "Remark: ***" at 229,1157 h25; LIB_UNEVALUATED "Approved" at 228,1100 h35
C75: LIB_UNEVALUATED "2" at 830.6,480 h16 r180; LIB_UNEVALUATED "1" at 946.6,480 h16 r180; LIB_UNEVALUATED "Approved" at 783,480 h35 r180; LIB_UNEVALUATED "Sofer Lib Information" at 1021,198 h25 r180; LIB_UNEVALUATED "Ref PN: ***" at 991,248 h25 r180; LIB_UNEVALUATED "Creat : Sofer Tech" at 991,288 h25 r180; LIB_UNEVALUATED "Date  : 2010-12-15" at 991,328 h25 r180; LIB_UNEVALUATED "Rev   : C1" at 991,368 h25 r180; LIB_UNEVALUATED "Remark: ***" at 991,408 h25 r180; LIB_UNEVALUATED "C1206" at 845,560 h30 r180; ASSEMBLY_TOP "2.2uF" at 845,560 h30 r180
C76: LIB_UNEVALUATED "1" at 946.4,405 h16 r180; LIB_UNEVALUATED "2" at 886.4,405 h16 r180; LIB_UNEVALUATED "C0603" at 970,470 h30 r180; LIB_UNEVALUATED "Approved" at 1022,405 h35 r180; LIB_UNEVALUATED "Sofer Lib Information" at 1036,128 h25 r180; LIB_UNEVALUATED "Ref PN: ***" at 1006,178 h25 r180; LIB_UNEVALUATED "Creat : Sofer Tech" at 1006,218 h25 r180; LIB_UNEVALUATED "Date  : 2007-05-10" at 1006,258 h25 r180; LIB_UNEVALUATED "Rev   : B1" at 1006,298 h25 r180; LIB_UNEVALUATED "Remark: ***" at 1006,338 h25 r180; ASSEMBLY_TOP "2.2uF_X5R_10%_0603" at 1035.11,370.9 h20 r180
C77: LIB_UNEVALUATED "Remark: ***" at 2219,377 h25; LIB_UNEVALUATED "Rev   : B1" at 2219,417 h25; LIB_UNEVALUATED "Date  : 2007-05-10" at 2219,457 h25; LIB_UNEVALUATED "Creat : Sofer Tech" at 2219,497 h25; LIB_UNEVALUATED "Ref PN: ***" at 2219,537 h25; LIB_UNEVALUATED "Sofer Lib Information" at 2189,587 h25; LIB_UNEVALUATED "Approved" at 2203,310 h35; LIB_UNEVALUATED "C0603" at 2255,245 h30; LIB_UNEVALUATED "2" at 2338.6,310 h16; LIB_UNEVALUATED "1" at 2278.6,310 h16; ASSEMBLY_TOP "2.2uF_X5R_10%_0603" at 2171,300 h20
C78: LIB_UNEVALUATED "1" at 1418.6,305 h16; LIB_UNEVALUATED "2" at 1478.6,305 h16; LIB_UNEVALUATED "C0603" at 1395,240 h30; LIB_UNEVALUATED "Approved" at 1343,305 h35; LIB_UNEVALUATED "Sofer Lib Information" at 1329,582 h25; LIB_UNEVALUATED "Ref PN: ***" at 1359,532 h25; LIB_UNEVALUATED "Creat : Sofer Tech" at 1359,492 h25; LIB_UNEVALUATED "Date  : 2007-05-10" at 1359,452 h25; LIB_UNEVALUATED "Rev   : B1" at 1359,412 h25; LIB_UNEVALUATED "Remark: ***" at 1359,372 h25; ASSEMBLY_TOP "2.2uF_X5R_10%_0603" at 1311,295 h20
C79: LIB_UNEVALUATED "1" at 908.74,3383.6 h16 r270; LIB_UNEVALUATED "2" at 908.74,3423.6 h16 r270; LIB_UNEVALUATED "NO" at 893.74,3377 h35 r270
C80: LIB_UNEVALUATED "1" at 325,3383.6 h16 r270; LIB_UNEVALUATED "2" at 325,3423.6 h16 r270; LIB_UNEVALUATED "NO" at 310,3377 h35 r270
C81: LIB_UNEVALUATED "1" at 1970,3073.6 h16 r270; LIB_UNEVALUATED "2" at 1970,3113.6 h16 r270; LIB_UNEVALUATED "NO" at 1955,3067 h35 r270
C82: LIB_UNEVALUATED "1" at 1705,3021.4 h16 r90; LIB_UNEVALUATED "2" at 1705,2981.4 h16 r90; LIB_UNEVALUATED "NO" at 1720,3028 h35 r90
C83: LIB_UNEVALUATED "1" at 1853.6,2855 h16 r180; LIB_UNEVALUATED "2" at 1893.6,2855 h16 r180; LIB_UNEVALUATED "NO" at 1847,2870 h35 r180
C84: LIB_UNEVALUATED "1" at 908.74,2798.6 h16 r270; LIB_UNEVALUATED "2" at 908.74,2838.6 h16 r270; LIB_UNEVALUATED "NO" at 893.74,2792 h35 r270
C85: LIB_UNEVALUATED "1" at 325,2798.6 h16 r270; LIB_UNEVALUATED "2" at 325,2838.6 h16 r270; LIB_UNEVALUATED "NO" at 310,2792 h35 r270
C86: LIB_UNEVALUATED "1" at 2970,1701.4 h16 r90; LIB_UNEVALUATED "2" at 2970,1661.4 h16 r90; LIB_UNEVALUATED "NO" at 2985,1708 h35 r90
C87: LIB_UNEVALUATED "1" at 3065,1416.4 h16 r90; LIB_UNEVALUATED "2" at 3065,1376.4 h16 r90; LIB_UNEVALUATED "NO" at 3080,1423 h35 r90
C92: LIB_UNEVALUATED "1" at 1683.6,2600 h16; LIB_UNEVALUATED "2" at 1743.6,2600 h16; LIB_UNEVALUATED "C0603" at 1660,2535 h30; LIB_UNEVALUATED "Approved" at 1608,2600 h35; LIB_UNEVALUATED "Sofer Lib Information" at 1594,2877 h25; LIB_UNEVALUATED "Ref PN: ***" at 1624,2827 h25; LIB_UNEVALUATED "Creat : Sofer Tech" at 1624,2787 h25; LIB_UNEVALUATED "Date  : 2007-05-10" at 1624,2747 h25; LIB_UNEVALUATED "Rev   : B1" at 1624,2707 h25; LIB_UNEVALUATED "Remark: ***" at 1624,2667 h25; ASSEMBLY_TOP "2.2uF_X5R_10%_0603" at 1576,2590 h20
C93: LIB_UNEVALUATED "1" at 948.6,1610 h16; LIB_UNEVALUATED "2" at 988.6,1610 h16; LIB_UNEVALUATED "NO" at 942,1595 h35
CN1: LIB_UNEVALUATED "2.7" at 1868.35,3717.44 h16 r180; LIB_UNEVALUATED "5.4" at 1818.35,3767.44 h16 r180; LIB_UNEVALUATED "2" at 2071.35,3892.44 h16 r180; LIB_UNEVALUATED "7" at 2081.35,3527.44 h16 r180; LIB_UNEVALUATED "5" at 2081.35,3562.44 h16 r180; LIB_UNEVALUATED "7.5" at 2083.35,3502.44 h16 r180; LIB_UNEVALUATED "0.65" at 2059.35,3602.44 h16 r180; LIB_UNEVALUATED "NO" at 2037.35,3779.44 h35 r180; LIB_UNEVALUATED "MICRO_USB_B_105017" at 1824.35,3953.34 h30 r180; LIB_UNEVALUATED "Remark: D031-012A1" at 2254.35,3422.44 h25 r180; LIB_UNEVALUATED "Rev   : A1" at 2254.35,3382.44 h25 r180; LIB_UNEVALUATED "Date  : 2014-07-16" at 2254.35,3342.44 h25 r180; LIB_UNEVALUATED "Creat : Yuki" at 2254.35,3302.44 h25 r180; LIB_UNEVALUATED "Ref PN: MOLEX_105017-001" at 2254.35,3262.44 h25 r180; LIB_UNEVALUATED "Sofer Lib Information" at 2284.35,3212.44 h25 r180; LIB_UNEVALUATED "11" at 2013.18,3772.47 h16 r180; LIB_UNEVALUATED "10" at 2091.92,3772.47 h16 r180; LIB_UNEVALUATED "6" at 2196.75,3772.47 h16 r180; LIB_UNEVALUATED "8" at 2157.38,3666.17 h16 r180; LIB_UNEVALUATED "5" at 2007.77,3667.16 h16 r180; LIB_UNEVALUATED "7" at 1921.15,3772.47 h16 r180; LIB_UNEVALUATED "9" at 1960.52,3666.17 h16 r180; LIB_UNEVALUATED "1" at 2110.13,3667.16 h16 r180; LIB_UNEVALUATED "4" at 2033.36,3667.16 h16 r180; LIB_UNEVALUATED "3" at 2058.95,3667.16 h16 r180; LIB_UNEVALUATED "2" at 2084.54,3667.16 h16 r180
CN2: LIB_UNEVALUATED "Approved" at 2503.41,3727.9 h35 r180; LIB_UNEVALUATED "HDR_1X4_2R54" at 2531.41,3826.23 h30 r180; LIB_UNEVALUATED "Remark: ***" at 2846.41,3539.23 h25 r180; LIB_UNEVALUATED "Rev   : B1" at 2846.41,3499.23 h25 r180; LIB_UNEVALUATED "Date  : 2007-11-21" at 2846.41,3459.23 h25 r180; LIB_UNEVALUATED "Creat : Sofer Tech" at 2846.41,3419.23 h25 r180; LIB_UNEVALUATED "Ref PN: ***" at 2846.41,3379.23 h25 r180; LIB_UNEVALUATED "Sofer Lib Information" at 2876.41,3329.23 h25 r180; LIB_UNEVALUATED "3" at 2569.01,3716.23 h16 r180; LIB_UNEVALUATED "4" at 2469.01,3716.23 h16 r180; LIB_UNEVALUATED "2" at 2669.01,3716.23 h16 r180; LIB_UNEVALUATED "1" at 2769.01,3716.23 h16 r180; Top Overlay "1" at 2849,3710 h25
CN3: LIB_UNEVALUATED "12.8" at 2900.2,3535.41 h16 r90; LIB_UNEVALUATED "7.62" at 2555.2,3355.41 h16 r90; LIB_UNEVALUATED "2.54" at 2585.2,3355.41 h16 r90; LIB_UNEVALUATED "11.5" at 2900.04,3590.1 h16 r90; LIB_UNEVALUATED "13.35" at 2900.04,3644.1 h16 r90; LIB_UNEVALUATED "HDR_1X2_2R54_RA_11R35" at 3000.2,3419.41 h30 r90; LIB_UNEVALUATED "Remark: D031-019A1" at 2475.2,3228.41 h25 r90; LIB_UNEVALUATED "Rev   : A1" at 2435.2,3228.41 h25 r90; LIB_UNEVALUATED "Date  : 2015-12-07" at 2395.2,3228.41 h25 r90; LIB_UNEVALUATED "Creat : Yuki" at 2355.2,3228.41 h25 r90; LIB_UNEVALUATED "Ref PN: WF25402-06XXX" at 2315.2,3228.41 h25 r90; LIB_UNEVALUATED "Sofer Lib Information" at 2265.2,3198.41 h25 r90; LIB_UNEVALUATED "1" at 2645.8,3429.41 h16 r90; LIB_UNEVALUATED "2" at 2645.8,3329.41 h16 r90; Top Overlay "1" at 2637.2,3549.41 h25 r270
CN4: LIB_UNEVALUATED "2" at 439.27,3750.15 h16 r270; LIB_UNEVALUATED "6" at 439.27,3273.78 h16 r270; LIB_UNEVALUATED "4" at 754.23,3565.11 h16 r270; LIB_UNEVALUATED "7" at 754.23,3675.35 h16 r270; LIB_UNEVALUATED "5" at 628.25,3114.33 h16 r270; LIB_UNEVALUATED "3" at 439.27,3635.98 h16 r270
CN5: LIB_UNEVALUATED "3" at 983.28,3635.98 h16 r270; LIB_UNEVALUATED "5" at 1172.26,3114.33 h16 r270; LIB_UNEVALUATED "7" at 1298.24,3675.35 h16 r270; LIB_UNEVALUATED "4" at 1298.24,3565.11 h16 r270; LIB_UNEVALUATED "6" at 983.28,3273.78 h16 r270; LIB_UNEVALUATED "2" at 983.28,3750.15 h16 r270
CN6: LIB_UNEVALUATED "2" at 1890,2735 h25; LIB_UNEVALUATED "1" at 1790,2735 h25
CN7: LIB_UNEVALUATED "2" at 115,2345 h25 r180; LIB_UNEVALUATED "1" at 215,2345 h25 r180
CN8: LIB_UNEVALUATED "12.7" at 3249.5,1569 h25 r270; LIB_UNEVALUATED "7.7" at 2944.5,2078 h25 r270; LIB_UNEVALUATED "5.08" at 2949.5,1984 h25 r270; LIB_UNEVALUATED "4.95" at 2949.5,1879 h25 r270; LIB_UNEVALUATED "10.8" at 3199.5,1569 h25 r270; LIB_UNEVALUATED "2.54" at 3154.5,1474 h25 r270; LIB_UNEVALUATED "NO" at 2929,1528 h35 r270; LIB_UNEVALUATED "TSM-105-01-S-DV" at 2502,1533 h30 r270; LIB_UNEVALUATED "Sofer Lib Information" at 3509.04,1754.24 h25 r270; LIB_UNEVALUATED "Remark: D806-054A1" at 3299.04,1724.24 h25 r270; LIB_UNEVALUATED "Rev   : A1" at 3339.04,1724.24 h25 r270; LIB_UNEVALUATED "Date  : 2016-06-25" at 3379.04,1724.24 h25 r270; LIB_UNEVALUATED "Creat : Ziv" at 3419.04,1724.24 h25 r270; LIB_UNEVALUATED "Ref PN: TSM-105-01-S-DV" at 3459.04,1724.24 h25 r270; LIB_UNEVALUATED "5" at 2854.56,1528 h25 r270; LIB_UNEVALUATED "9" at 2854.56,1328 h25 r270; LIB_UNEVALUATED "3" at 2854.56,1628 h25 r270; LIB_UNEVALUATED "1" at 2854.56,1728 h25 r270; LIB_UNEVALUATED "2" at 3049.44,1728 h25 r270; LIB_UNEVALUATED "4" at 3049.44,1628 h25 r270; LIB_UNEVALUATED "6" at 3049.44,1528 h25 r270; LIB_UNEVALUATED "8" at 3049.44,1428 h25 r270; LIB_UNEVALUATED "10" at 3039.44,1328 h25 r270; LIB_UNEVALUATED "7" at 2854.56,1428 h25 r270; Top Overlay "2" at 3145,1715 h25 r270; Top Overlay "10" at 3145,1325 h25 r270; Top Overlay "9" at 2785,1290 h25 r270